# KiCad board MiniCamel_long.kicad_pcb (continued)
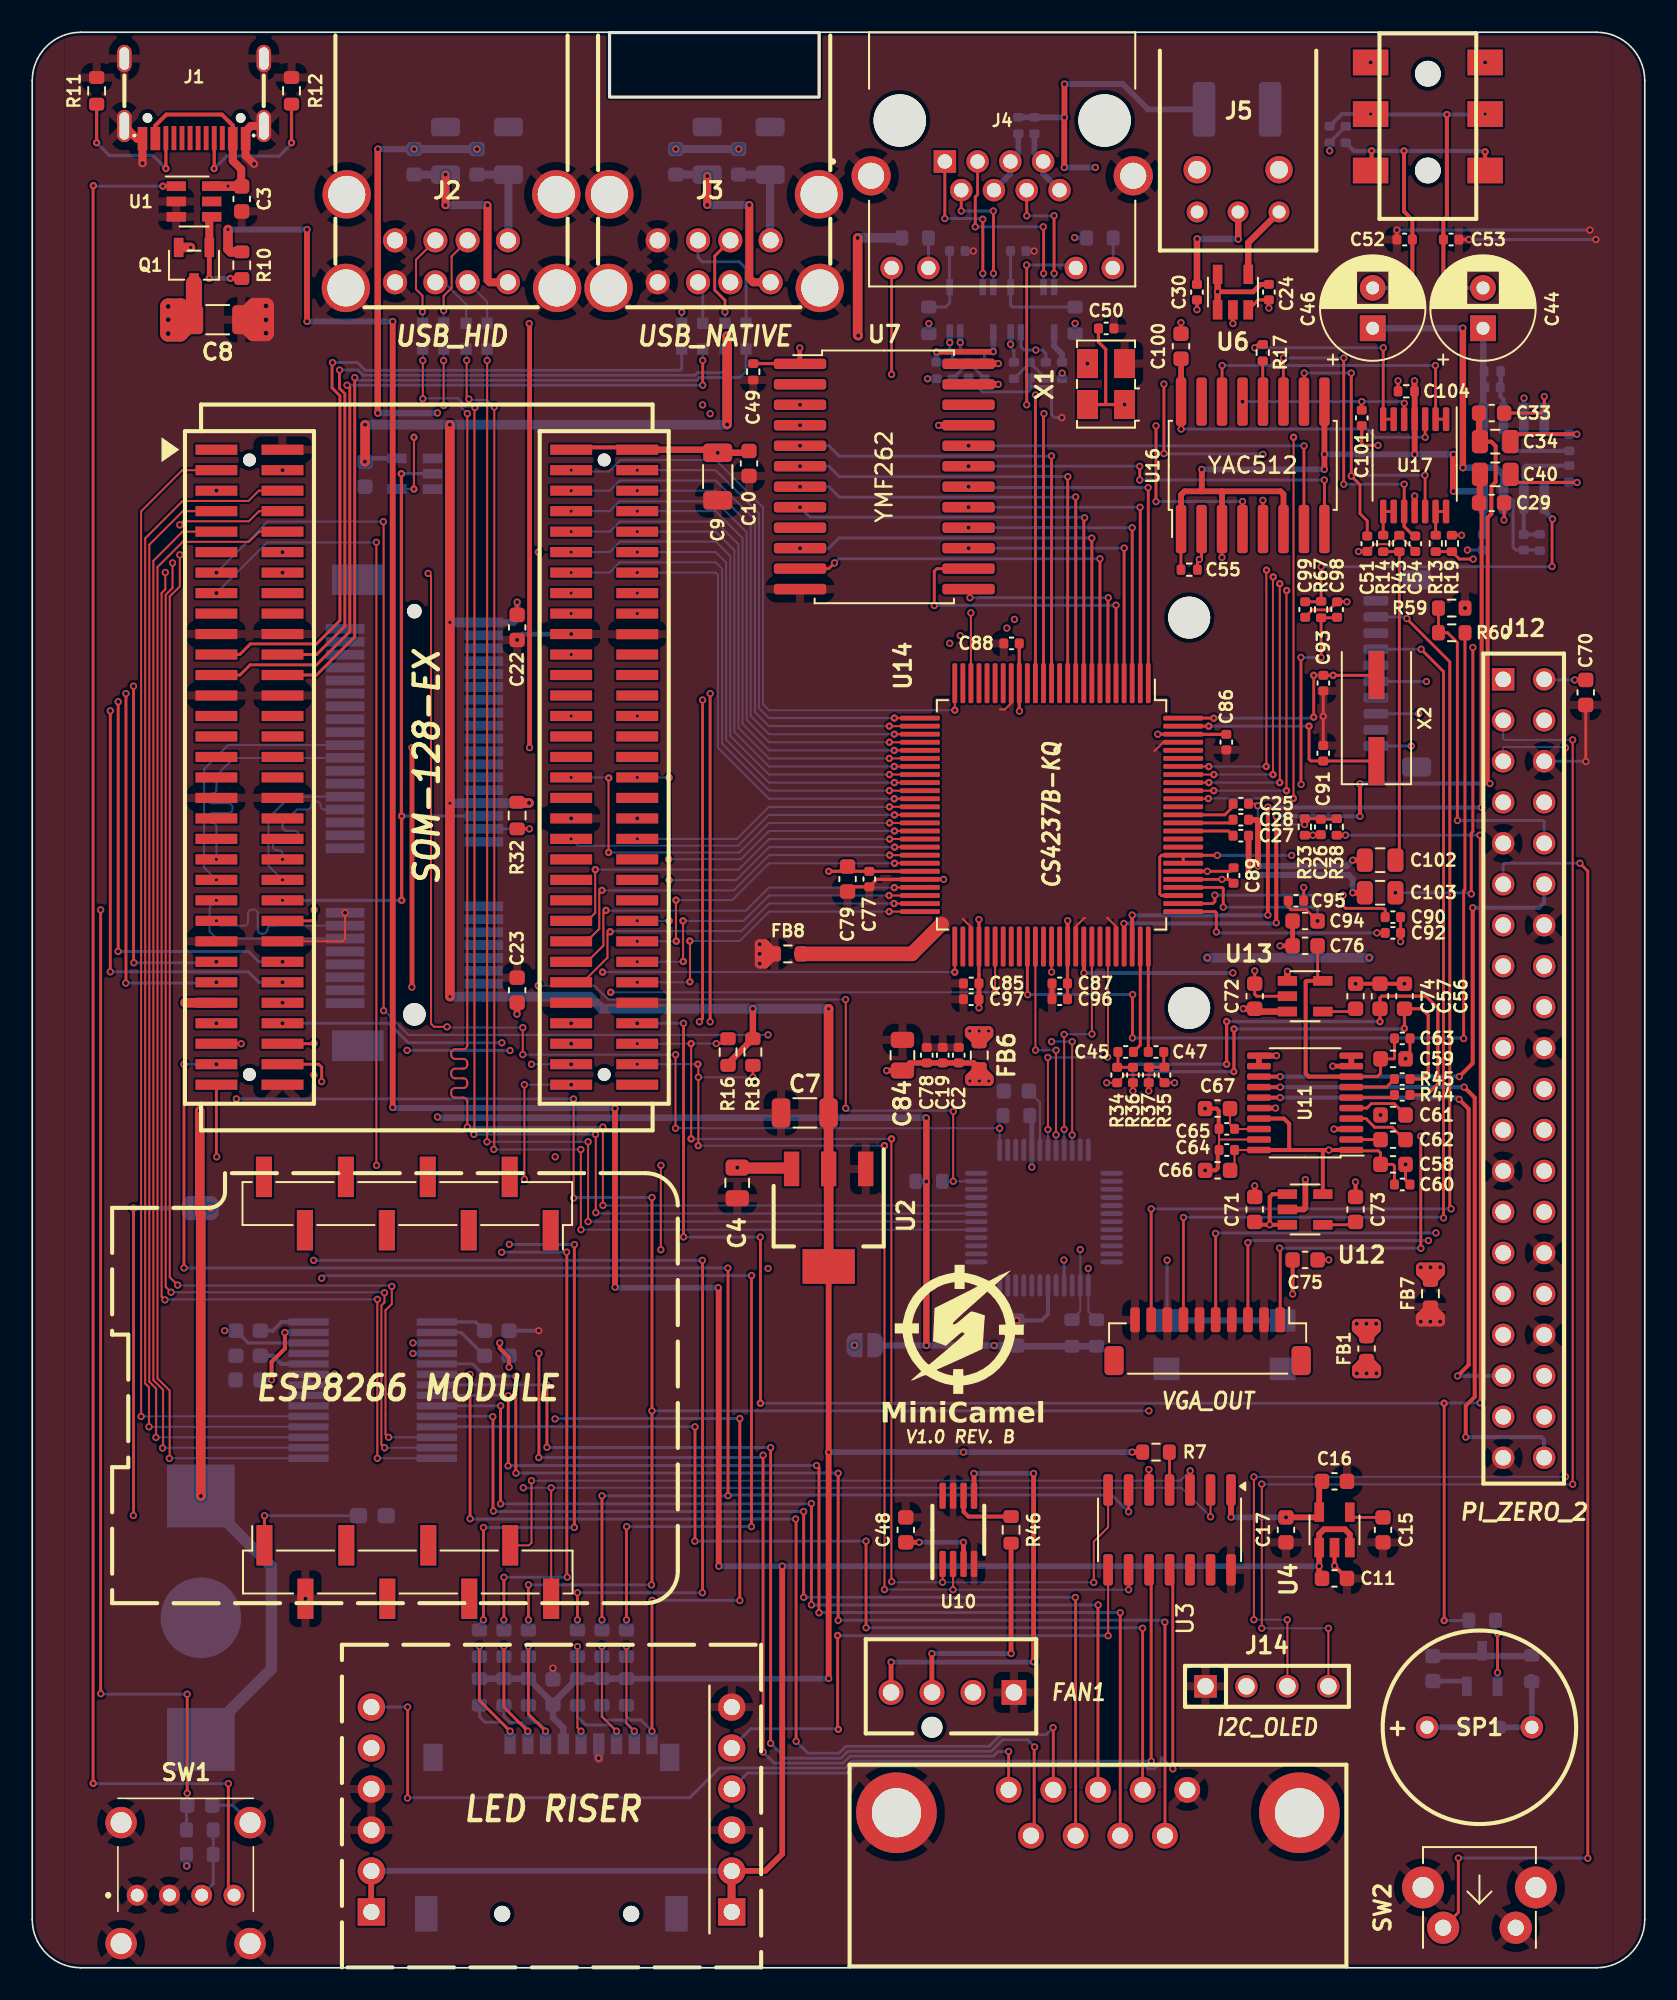
[diagram p0: board, top side]
## Routing (per net, layer and track width the routed paths; a pad name or vN(x,y) marks a point on that pad's centre or on a via; arc(x,y) is an arc through that point) (continued)
  Bottom w0.18: v1(49.98,30.66) 49.97,30.67 v1(30,30.67) ; v1(49.98,21.54) 49.99,21.55 70.12,21.55 v1(70.24,21.43) ; U5.5 27.32,37.44 28.09,36.67 v1(30,36.67)
/RS_RTS1: length 65.5
  Top w0.18: v1(28.56,34.17) 28.57,34.16 28.57,28.35 v1(28.6,28.32) ; v1(64.69,22.96) 64.7,22.94 J8.7 ; v1(47.84,28.29) v1(47.84,22.97)
  Bottom w0.18: v1(47.84,28.29) 28.63,28.29 v1(28.6,28.32) ; v1(47.84,22.97) 64.68,22.97 v1(64.69,22.96) ; U5.10 28.54,34.19 v1(28.56,34.17)
/RS_RX1: length 65.8
  Top w0.18: v1(27.15,27.84) v1(27.15,36.79) ; J8.2 63.32,14.88 v1(63.31,14.89) ; v1(47.37,14.04) 47.37,27.79 v1(47.34,27.82)
  Bottom w0.18: v1(63.31,14.89) 62.87,14.45 60.07,14.45 59.35,13.73 50.46,13.73 50.03,13.3 48.11,13.3 v1(47.37,14.04) ; v1(47.34,27.82) 27.17,27.82 v1(27.15,27.84) ; v1(27.15,36.79) U5.6
/RS_TX1: length 64.9
  Top w0.18: v1(66.1,22.49) 66.09,22.48 J8.3 ; v1(29.05,34.84) 29.04,34.83 v1(29.04,28.76) ; v1(48.32,22.5) v1(48.32,28.79)
  Bottom w0.18: v1(29.04,28.76) 48.29,28.76 v1(48.32,28.79) ; v1(66.1,22.49) 48.33,22.49 v1(48.32,22.5) ; v1(29.05,34.84) U5.9
/RST_SW: length 4.4
  Bottom w0.18: SW1.3 11.23,5.22 11.23,8.54 11.23,8.55
/RSTDRV: length 88
  Top w0.127: U14.90 72.93,72.48 v2(72.94,72.49) ; v2(23.67,94.89) v2(23.67,91.68) ; v2(78.21,72.5) 78.22,72.51 v2(78.22,94.89)
  In1.Cu w0.127: v2(78.22,94.89) v2(23.67,94.89)
  Bottom w0.127: U8.4 v2(23.67,91.68) ; v2(72.94,72.49) 72.95,72.5 v2(78.21,72.5)
/RTS1: length 78.6
  Top w0.127: v1(21.85,32.24) 21.65,32.43 21.65,41.07 21.84,41.26 v1(21.84,41.85) ; v1(8.7,87.1) 8.7,85.55 8.27,85.12 8.27,42.21 v1(8.61,41.88)
  In2.Cu w0.127: v1(11.42,91.58) 9.32,91.58 8.7,90.96 v1(8.7,87.1)
  Bottom w0.127: U5.13 v1(21.85,32.24) ; v1(8.61,41.88) 21.81,41.88 v1(21.84,41.85)
/RX1: length 70
  Top w0.127: v1(7.67,32.88) 7.68,32.89 7.68,35.91 7.26,36.33 7.26,88.23 9.34,90.31 P1.A7
  Bottom w0.127: v1(7.67,32.88) 7.68,32.89 U5.17
/RX2: length 79.9
  Top w0.127: v1(32.18,29.76) J11.16 ; v1(30.52,54.75) v1(30.52,48.89) 30.45,48.82 ; v1(73.07,27.96) U3.2
  In2.Cu w0.127: v1(30.45,29.76) 30.45,48.82 v1(30.52,48.89)
  Bottom w0.127: v1(30.52,54.75) v1(33.42,54.75) ; v1(73.07,27.96) 71.27,29.76 v1(32.18,29.76) 30.45,29.76 v1(30.45,29.76)
/SD_CD: length 81.5
  Top w0.127: 38.43,22.77 v1(38.44,22.78)
  Top w0.18: v1(43.88,22.77) v1(43.88,34.05) ; v1(32.43,50.28) 32.42,50.27 ; v1(38.43,14.67) 38.43,22.77 ; v1(11.44,50.28) 11.42,50.3 P1.A63
  In1.Cu w0.18: v1(32.43,50.28) 32.42,50.27 11.45,50.27 v1(11.44,50.28)
  In2.Cu w0.18: 32.42,50.27 v1(32.42,34.03)
  Bottom w0.127: 43.87,22.78 v1(43.88,22.77)
  Bottom w0.18: v1(38.44,22.78) 43.87,22.78 ; v1(43.88,34.05) 32.44,34.05 v1(32.42,34.03) ; J13.9 v1(38.43,14.67) 37.74,15.36 37.09,15.36 36.85,15.6 R53.2
/SD_CLK: length 70.2
  Top w0.127: v1(17.46,55.35) 17.45,55.34
  Top w0.18: P1.A60 17.46,57.29 v1(17.48,57.31) ; v1(41.56,43.86) 41.57,43.85 41.57,23.26 v1(41.56,23.25) ; v1(33.81,23.25) v1(33.81,21.57)
  In2.Cu w0.127: 17.46,57.29 v1(17.48,57.31)
  In2.Cu w0.18: v1(17.46,55.35) 17.46,57.29 ; 17.45,55.34 v1(17.45,43.86)
  Bottom w0.18: R50.2 v1(33.81,21.57) ; v1(33.81,23.25) v1(41.56,23.25) ; v1(41.56,43.86) v1(17.45,43.86)
/SD_CMD: length 107.2
  Top w0.127: 69.25,29.63 U3.5 ; v1(33.57,47.72) v1(33.57,53.87)
  Top w0.18: v1(69.25,30.89) 69.25,29.63 ; v1(38.4,23.74) 38.43,23.77 v1(38.43,34.53) v1(38.43,47.76) ; v1(30.77,21.57) v1(30.77,23.74) ; v1(12.96,57.29) P1.A59
  In2.Cu w0.18: v1(12.66,53.87) 12.66,56.99 v1(12.96,57.29) ; v1(69.25,34.53) v1(69.25,30.89)
  Bottom w0.127: 33.58,47.71 v1(33.57,47.72)
  Bottom w0.18: R49.2 v1(30.77,21.57) ; 33.58,47.71 33.62,47.76 v1(38.43,47.76) ; v1(69.25,34.53) v1(38.43,34.53) ; v1(12.66,53.87) v1(33.57,53.87) ; v1(38.4,23.74) v1(30.77,23.74)
/SD_DAT0: length 105.3
  Top w0.127: v1(43.14,43.38) 43.15,43.37
  Top w0.18: v1(67.99,28.27) U3.6 ; v1(35.33,21.57) v1(35.33,29.26) ; v1(9.41,43.39) v1(9.41,56.02) ; 43.15,43.37 v1(43.15,29.27)
  Bottom w0.18: v1(43.14,43.38) 43.13,43.39 v1(9.41,43.39) ; R51.2 v1(35.33,21.57) ; v1(67.99,28.27) 66.95,29.31 43.19,29.31 v1(43.15,29.27) 43.14,29.26 v1(35.33,29.26) ; v1(11.42,56.02) v1(9.41,56.02)
/SD_DAT1: length 72.2
  Top w0.127: v1(17.95,54.94) 17.95,54.92 ; v1(44.61,42.92) 44.6,42.91
  Top w0.18: 17.9,54.87 17.95,54.92 17.95,55.84 17.77,56.02 P1.A62 ; v1(36.86,27.35) 36.85,27.34 v1(36.85,21.57) ; 44.6,42.91 v1(44.6,27.35)
  In2.Cu w0.18: 17.95,42.74 v1(17.95,42.75) v1(17.95,54.94)
  Bottom w0.18: R52.2 v1(36.85,21.57) ; v1(17.95,42.75) 18.11,42.91 44.6,42.91 v1(44.61,42.92) ; v1(36.86,27.35) v1(44.6,27.35)
/SD_DAT2: length 64.6
  Top w0.18: v1(27.98,21.57) v1(27.98,27.3) ; v1(33.62,27.3) 33.62,27.3 33.62,44.84 v1(33.62,44.84) ; v1(29.63,56.87) 29.58,56.82
  In1.Cu w0.18: v1(11.42,58.56) 12.94,58.56 13.58,57.92 22.2,57.92 v1(23.24,56.88)
  In2.Cu w0.18: 29.58,56.82 v1(29.58,44.85)
  Bottom w0.18: R47.2 27.73,21.32 v1(27.98,21.57) ; v1(33.62,44.84) 29.59,44.84 v1(29.58,44.85) ; v1(23.24,56.88) 29.62,56.88 v1(29.63,56.87) ; v1(33.62,27.3) v1(27.98,27.3)
/SD_DAT3: length 58.5
  Top w0.18: v1(29.25,21.57) v1(29.25,24.21) ; v1(33.18,24.22) 33.15,24.25 33.15,44.36 v1(33.14,44.37)
  In2.Cu w0.18: v1(29.11,44.36) 29.11,57.34 v1(29.12,57.35)
  Bottom w0.127: 29.13,44.37 29.12,44.36 v1(29.11,44.36)
  Bottom w0.18: v1(29.25,24.21) 33.17,24.21 ; R48.2 v1(29.25,21.57) ; 29.13,44.37 v1(33.14,44.37) ; v1(29.12,57.35) 23.32,57.35 22.11,58.56 v1(15.52,58.56)
  Bottom w0.36: 33.17,24.21 v1(33.18,24.22)
/SPDIF_OUT: length 52
  Top w0.25: U14.67 65.22,63.31 v1(65.22,61.68) ; U6.2 v1(74.46,101.94)
  In2.Cu w0.25: v1(74.46,61.68) v1(74.46,101.94)
  Bottom w0.25: v1(74.46,61.68) v1(65.22,61.68)
/SPKR: length 135
  Top w0.18: v2(45.16,35) 45.16,45.29 v1(45.15,45.3) ; v1(89.78,70.22) 89.8,70.2 89.8,35.03 v1(89.79,35.02) ; v2(87.56,35) v2(87.56,21.53) ; v1(40.39,45.31) v1(40.39,58.56) ; R38.1 v1(81.44,70.22)
  Bottom w0.18: v1(81.44,70.22) v1(89.78,70.22) ; v2(45.16,35) v2(87.56,35) 87.58,35.02 v1(89.79,35.02) ; 89.15,21.54 89.14,21.53 v2(87.56,21.53) ; v1(45.15,45.3) 40.4,45.3 v1(40.39,45.31) ; v1(40.39,58.56) v1(37.52,58.56)
/SYNTH_SW: length 80.6
  Top w0.18: v1(88.44,6.8) 88.44,3.43 87.5,2.49 ; v1(96.47,6.79) 96.47,67.99 v1(95.98,68.48)
  Bottom w0.18: v1(95.98,68.48) 91.32,68.48 91.22,68.38 J12.11 ; v1(88.44,6.8) 96.46,6.8 v1(96.47,6.79)
/TACH1: length 14.2
  Top w0.3: R46.1 v1(60.7,19.48) ; v1(55.79,19.48) 55.79,17.08 P2.3
  Bottom w0.3: v1(55.79,19.48) 55.79,19.48 v1(60.7,19.48)
/TX1: length 85.1
  Top w0.127: v1(8.25,86.51) 8.25,85.46 8.02,85.23 8.02,41.62 v1(8.23,41.41) ; v1(21.4,31.59) v1(21.4,41.44)
  In2.Cu w0.127: v1(15.52,92.85) 15.44,92.77 9.32,92.77 8.25,91.7 v1(8.25,86.51)
  Bottom w0.127: 15.44,92.77 v1(15.52,92.85) ; v1(21.4,41.44) 8.26,41.44 v1(8.23,41.41) ; U5.14 v1(21.4,31.59)
/TX2: length 75.8
  Top w0.127: U3.3 71.8,30.8 v1(71.81,30.81) ; J11.15 30.8,26.19 30.96,26.35 v1(30.96,30.2) ; 30.96,56.02 v1(30.96,56.02)
  In2.Cu w0.127: v1(30.96,30.2) 30.96,30.2 30.96,56.02 v1(30.96,56.02)
  Bottom w0.127: v1(30.96,56.02) v1(33.42,56.02) ; v1(30.96,30.2) 71.2,30.2 v1(71.81,30.81)
/USBD1+: length 49
  Top w0.18: v1(41.58,99.66) v1(41.58,98.12) ; v1(19.52,98.12) 19.69,97.95 19.69,82.84 17.63,80.78 13.51,80.78 12.88,80.15 P1.A23
  Bottom w0.18: v1(19.52,98.12) v1(41.58,98.12) ; L1.3 v1(41.58,99.66)
/USBD1-: length 47.9
  Top w0.18: v1(18.62,99.52) 18.59,99.49 18.59,97.95 19.08,97.46 19.08,83.53 17.63,82.08 13.53,82.08 12.87,81.42 P1.A21
  Bottom w0.18: L1.2 40.28,99.16 40.16,99.04 20.65,99.04 20.16,99.53 18.63,99.53 v1(18.62,99.52)
/USBD2+: length 47.5
  Top w0.18: v1(20,98.59) 20,82.52 17.63,80.15 P1.A24
  Bottom w0.18: L2.3 44.27,99.01 43.85,98.59 41.39,98.59 41.22,98.43 20.16,98.43 v1(20,98.59)
/USBD2-: length 46.1
  Top w0.18: v1(19.06,99.06) 19.05,99.05 19.05,97.92 19.39,97.59 19.39,83.17 17.63,81.42 P1.A22
  Bottom w0.18: L2.2 42.97,99.1 42.77,98.89 41.26,98.89 41.1,98.73 20.52,98.73 20.19,99.06 v1(19.06,99.06)
/USBDX1+: length 2.7
  Bottom w0.18: L1.4 41.58,104.21 J3.3
/USBDX1-: length 4.5
  In1.Cu w0.18: v1(40.28,102.65) 41.09,103.46 42.25,103.46 J3.2
  Bottom w0.18: L1.1 v1(40.28,102.65)
/USBDX2+: length 7.7
  Bottom w0.18: J3.7 41.29,106.03 41.55,105.77 43.85,105.77 44.27,105.35 L2.4
/USBDX2-: length 5.8
  Top w0.18: J3.6 42.32,106.13 42.32,104.02 42.96,103.38 v1(42.96,102.66)
  Bottom w0.18: L2.1 42.97,102.65 v1(42.96,102.66)
/USBHID1+: length 85.9
  Top w0.127: v1(28.65,96.77) 28.65,50.77 v1(28.62,50.74) ; v1(34.03,45.76) 34.02,45.77 v1(34.02,50.73) ; v1(26.94,99.66) 26.94,97.4 v1(27.08,97.26)
  Bottom w0.127: v1(28.62,50.74) 28.63,50.73 v1(34.02,50.73) ; v1(28.65,96.77) 28.22,97.2 27.14,97.2 v1(27.08,97.26) ; U9.29 v1(34.03,45.76) ; L3.4 26.94,100.33 v1(26.94,99.66)
/USBHID1-: length 84.5
  Top w0.127: v1(28.21,99.65) 28.21,51.22 v1(28.2,51.21) ; v1(34.47,46.26) v1(34.47,51.21)
  Bottom w0.127: U9.30 v1(34.47,46.26) 34.39,46.26 34.39,46.26 ; v1(28.21,99.65) L3.1 ; v1(34.47,51.21) v1(28.2,51.21)
/USBHID2+: length 87.7
  Top w0.127: v1(34.93,51.67) 34.95,51.65 v1(34.95,46.82) ; v1(27.38,51.67) 27.42,51.71 27.42,96.71 v1(27.45,96.74) ; v1(24.22,97.28) v1(24.22,99.65)
  Bottom w0.127: v1(34.93,51.67) 27.39,51.67 v1(27.38,51.67) ; v1(24.22,99.65) 24.22,100.35 L4.4 ; v1(27.45,96.74) 27.39,96.8 26.9,96.8 26.39,97.31 24.25,97.31 v1(24.22,97.28) ; v1(34.95,46.82) 35,46.76 U9.31
/USBHID2-: length 90.6
  Top w0.127: v1(35.39,47.27) v1(35.39,52.12) ; v1(25.51,99.65) 25.51,96.87 v1(25.52,96.86) ; v1(26.98,52.12) 26.98,53.71 arc(26.91,53.88) 26.74,53.95 26.22,53.95 arc(26.05,54.02) 25.98,54.19 25.98,54.31 arc(26.05,54.48) 26.22,54.55 26.74,54.55 arc(26.91,54.62) 26.98,54.79 26.98,54.91 arc(26.91,55.08) 26.74,55.15 26.22,55.15 arc(26.05,55.22) 25.98,55.39 25.98,55.51 arc(26.05,55.68) 26.22,55.75 26.74,55.75 arc(26.91,55.82) 26.98,55.99 26.98,56.11 arc(26.91,56.28) 26.74,56.35 26.22,56.35 arc(26.05,56.42) 25.98,56.59 25.98,56.71 arc(26.05,56.88) 26.22,56.95 26.74,56.95 arc(26.91,57.02) 26.98,57.19 v1(26.98,96.36)
  Bottom w0.127: 35.45,47.27 v1(35.39,47.27) 35.4,47.26 U9.32 ; v1(25.52,96.86) 26.48,96.86 v1(26.98,96.36) ; v1(35.39,52.12) v1(26.98,52.12) ; v1(25.51,99.65) L4.1
/USBHIDX1+: length 3.6
  Bottom w0.127: J2.3 25.54,104.5 26.91,103.13 L3.3
/USBHIDX1-: length 3
  Bottom w0.127: L3.2 28.21,103.29 J2.2
/USBHIDX2+: length 5.8
  Top w0.127: J2.7 23.8,105.9 23.8,104.06 24.2,103.66 v1(24.2,102.67)
  Bottom w0.127: v1(24.2,102.67) 24.21,102.66 L4.3
/USBHIDX2-: length 5.8
  Top w0.127: v1(25.51,102.75) 25.51,103.65 26.01,104.15 26.01,106.11 J2.6
  Bottom w0.127: L4.2 v1(25.51,102.75)
/VSYNC: length 65.2
  Top w0.18: v1(85.25,83.65) 85.25,83.63 87.91,80.97 87.91,47.13 ; v1(69.39,47.05) J15.9
  In2.Cu w0.18: v1(87.99,47.05) 87.91,47.13
  Bottom w0.18: v1(69.39,47.05) v1(87.99,47.05) ; J10.9 85.15,83.75 v1(85.25,83.65)
/X_SD_CLK: length 6.8
  Top w0.127: v1(33.81,19.92) 33.81,14.89 v1(34.03,14.67)
  Bottom w0.127: 34.03,14.67 v1(34.03,14.67) ; R50.1 v1(33.81,19.92)
  Bottom w0.3: J13.5 34.03,14.67
/X_SD_CMD: length 9.3
  Top w0.18: v1(30.77,19.92) 30.77,15.73 v1(31.83,14.67)
  Bottom w0.127: R49.1 v1(30.77,19.92)
  Bottom w0.18: v1(31.83,14.67) 31.83,14.78 31.4,15.21 31.12,15.21 30.77,15.56 R56.2
  Bottom w0.3: J13.3 v1(31.83,14.67)
/X_SD_DAT0: length 10.5
  Top w0.127: v1(35.33,19.92) 35.33,15.57 v1(36.23,14.67)
  Bottom w0.127: R51.1 v1(35.33,19.92)
  Bottom w0.18: v1(36.23,14.67) 35.85,15.05 34.33,15.05 33.81,15.57 R55.2
  Bottom w0.3: J13.7 v1(36.23,14.67)
/X_SD_DAT1: length 9.9
  Top w0.127: v1(36.85,19.92) 36.85,15.15 v1(37.33,14.67)
  Bottom w0.127: R52.1 v1(36.85,19.92)
  Bottom w0.18: v1(37.33,14.67) 36.64,15.36 35.54,15.36 35.33,15.57 R54.2
  Bottom w0.3: J13.8 v1(37.33,14.67)
/X_SD_DAT2: length 10.4
  Top w0.18: v1(27.73,19.92) 27.73,16.57 v1(29.63,14.67)
  Bottom w0.127: R47.1 v1(27.73,19.92)
  Bottom w0.18: R58.2 27.73,15.57 28.08,15.22 29.08,15.22 v1(29.63,14.67)
  Bottom w0.3: J13.1 v1(29.63,14.67)
/X_SD_DAT3: length 9.9
  Top w0.18: v1(30.73,14.67) 29.25,16.15 v1(29.25,19.92)
  Bottom w0.127: R48.1 v1(29.25,19.92)
  Bottom w0.18: R57.2 29.25,15.58 29.62,15.21 30.35,15.21 30.73,14.83 v1(30.73,14.67)
  Bottom w0.3: J13.2 v1(30.73,14.67)
/YAC_CH1: length 22.1
  Top w0.18: C51.1 82.79,89.71 82.34,90.16 82.34,91.95 v1(81.8,92.49) v1(81.8,98.87) ; v1(86.37,92.54) 86.38,92.53 U17.12 ; U16.10 78.88,97.11 v1(78.88,98.87)
  Bottom w0.18: v1(81.8,92.49) 81.85,92.54 v1(86.37,92.54) ; v1(81.8,98.87) v1(78.88,98.87)
/YAC_CH2: length 21.6
  Top w0.18: U17.10 v1(85.08,91.98) ; v1(77.59,99.81) 77.59,97.1 U16.11 ; v1(81.34,99.81) 81.33,99.8 v1(81.33,91.98)
  Top w0.2: U17.10 85.08,89.35 85.67,88.77 C54.1
  Bottom w0.18: v1(81.34,99.81) v1(77.59,99.81) ; v1(85.08,91.98) v1(81.33,91.98)
/YAC_CLK: length 27.2
  Top w0.18: U16.5 76.33,90.97 v1(76.32,90.98) ; v1(70.18,98.19) v1(70.18,93.88)
  Top w0.4: v1(59.91,98.17) 58.06,98.17
  In1.Cu w0.18: v1(70.18,98.19) 70.17,98.18 59.92,98.18 v1(59.91,98.17)
  In2.Cu w0.18: v1(76.32,93.83) v1(76.32,90.98)
  Bottom w0.18: v1(76.32,93.83) 76.29,93.86 70.2,93.86 v1(70.18,93.88)
/YFM_CLK: length 7.4
  Top w0.4: 58.08,99.46 v1(59.91,99.46)
  In1.Cu w0.18: v1(65.44,99.46) v1(59.91,99.46)
/~{BRESET}: length 32.8
  Top w0.18: U14.15 62.21,97.5 v1(62.22,97.51)
  In1.Cu w0.18: v1(47.61,96.9) 49.5,96.9 50.14,97.54 62.19,97.54
  Bottom w0.18: 62.19,97.54 v1(62.22,97.51)
/~{DACK1}: length 45.7
  Top w0.127: v2(59.71,60.49) 59.71,60.49 U14.56
  In2.Cu w0.127: v2(37.52,77.61) 35.07,75.16 35.07,68.83 34.37,68.13 34.37,63.32 35.87,61.82 v2(35.87,60.48)
  Bottom w0.127: v2(59.71,60.49) 59.7,60.48 v2(35.87,60.48)
/~{DUPLEX}: length 66.3
  Top w0.18: J4.9 53.29,98.79 v1(53.29,98.79) ; v1(41.57,78.6) 41.57,58.85 v1(41.37,58.65)
  In1.Cu w0.18: v1(41.37,58.65) 41.37,59.21 41.28,59.3 35.63,59.3 34.89,58.56 v1(33.42,58.56) ; v1(41.57,96.9) 46.38,96.9 48.27,98.79 v1(53.29,98.79)
  In2.Cu w0.18: v1(41.57,78.6) 41.57,78.6 41.57,96.9 v1(41.57,96.9)
/~{FM_CS}: length 28.2
  Top w0.18: v1(65.26,89.9) 65.21,89.85 U14.9
  Bottom w0.18: v1(65.26,89.9) 65.23,89.93 48.24,89.93 v1(47.61,90.55)
/~{FM_RD}: length 28.9
  Top w0.18: v1(64.71,91.19) 64.71,91.19 U14.10
  Bottom w0.18: v1(64.71,91.19) 64.7,91.18 50.05,91.18 49.41,91.82 v1(47.61,91.82)
/~{FM_WR}: length 29.7
  Top w0.18: U14.11 64.21,92.44 v1(64.22,92.45)
  Bottom w0.18: v1(47.61,93.09) 49.41,93.09 50.05,92.45 v1(64.22,92.45)
/~{IOR}: length 18.4
  Top w0.127: U14.37 53.16,71.98 v2(53.16,71.98)
  Bottom w0.127: v2(53.16,71.98) 45.69,71.98 43.7,69.99 v2(37.52,69.99)
/~{IOW}: length 22.6
  Top w0.127: U14.38 v2(53.47,71.48)
  Bottom w0.127: v2(53.47,71.48) 45.69,71.48 43.78,69.57 33.84,69.57 v2(33.42,69.99)
/~{LINKACT}: length 79
  Top w0.18: v1(61.66,105.57) 61.67,105.56 v1(61.67,96.91) ; v1(42.04,58.65) v1(42.04,79)
  In1.Cu w0.18: v1(33.42,57.29) 34.89,57.29 35.46,57.86 41.94,57.86 42.04,57.96 v1(42.04,58.65) ; v1(61.67,96.91) 61.66,96.9 50.33,96.9 49.72,96.29 42.1,96.29 v1(42.04,96.35)
  In2.Cu w0.18: v1(42.04,79) v1(42.04,96.35)
  Bottom w0.18: v1(61.66,105.57) 64.54,105.57 J4.11
/~{PCIRST}: length 40.9
  Top w0.2: v2(22.89,92.63) 22.89,92.62 22.89,71.41 v2(22.91,71.4) v2(22.91,66.18)
  Bottom w0.2: U8.2 v2(22.89,92.63) ; v2(22.91,71.4) 22.92,71.41 J7.22 ; v2(22.91,66.18) v2(15.52,66.18)
/~{RST_SW}: length 78.2
  Top w0.18: v1(17.48,65.59) 17.48,65.05 17.34,64.91 P1.A48 ; v1(4.24,65.59) 4.24,17 v1(4.25,16.99) ; v1(9.61,10.82) v1(9.61,16.96)
  In1.Cu w0.18: v1(4.24,65.59) v1(17.48,65.59)
  Bottom w0.18: C5.1 9.64,10.08 ; C5.1 9.62,10.81 v1(9.61,10.82) ; C5.1 9.56,10.03 R9.1 ; v1(4.25,16.99) 4.28,16.96 v1(9.61,16.96)
Net-(C1-Pad2): length 42.3
  Top w0.36: v1(64.01,116.79) v1(64.01,114.72) 64,114.71 v1(64,111.62)
  In1.Cu w0.36: v1(55.52,98.52) 55.87,98.87 v1(63.87,98.87)
  In2.Cu w0.36: v1(65.93,111.62) 65.93,100.93 v1(63.87,98.87)
  Bottom w0.36: R2.1 v1(55.52,98.52) ; v1(65.93,111.62) v1(64,111.62) ; v1(64.01,116.79) 67.63,116.79 69.2,115.22 C1.2 ; R4.1 R5.1 62.16,114.72 v1(64.01,114.72) ; v1(63.87,98.87) 63.86,98.86 R3.1
Net-(C25-Pad2): length 7
  Top w0.127: R33.1 78.91,71.23 v1(78.91,70.88) ; v1(76,72.04) 75.87,72.17 C25.2
  Top w0.18: R33.1 79.88,71.24 C26.1 80.87,71.21 R38.2
  Bottom w0.127: v1(78.91,70.88) 76.14,70.88 76,71.02 v1(76,72.04)
Net-(C34-Pad2): length 5
  Top w0.25: v1(95.79,95.08) 91.68,95.08 C34.2
  Bottom w0.25: v1(95.79,95.08) 95.33,95.08 R61.2
Net-(C40-Pad2): length 5.1
  Top w0.2: C40.2 91.68,92.09 v1(95.8,92.09)
  Bottom w0.25: v1(95.8,92.09) 95.34,92.09
  Bottom w0.4: 95.34,92.09 R62.2
Net-(C42-Pad2): length 5.6
  Bottom w0.4: C44.1 89.98,101.64 89.98,96.12 90.05,96.05
Net-(C43-Pad2): length 23.7
  Top w0.4: v1(88.72,93) v1(88.72,101.66)
  Bottom w0.2: 93.45,87.9 C43.2 92.02,87.9 91.84,88.08 91.84,90.96 91.68,91.11 U15.7
  Bottom w0.4: 93.45,87.9 R64.1 ; C46.1 88.71,101.65 v1(88.72,101.66) ; v1(88.72,93) 90.77,93 91.23,92.53 U15.7
Net-(C44-Pad2): length 23.3
  Top w0.25: 87.52,104.15 v2(87.51,104.16) C53.1 87.51,108.35 87.73,108.57 87.73,114.9 v2(87.73,114.9)
  Bottom w0.25: v2(90.1,114.93) 90.07,114.9 v2(87.73,114.9) 83.03,114.9 v2(83,114.93) 81.22,114.93 R65.1 ; C44.2 87.52,104.15
Net-(C45-Pad2): length 2.1
  Top w0.127: 67.14,55.81 67.16,55.83 R34.2 67.33,55.88 ; 67.28,56.73 C45.2
  Top w0.18: 67.33,55.88 67.33,56.68 67.28,56.73 ; R34.2 R36.2
Net-(C46-Pad2): length 22.4
  Top w0.25: v2(85.57,104.15) 85.59,104.17 C52.1 85.59,108.37 85.07,108.89 v2(85.07,112.65) ; J6.T 83.06,111.49 v2(83.06,112.65) ; v2(90.1,112.59) J6.T
  Bottom w0.25: v2(90.1,112.59) 90.04,112.65 v2(85.07,112.65) v2(83.06,112.65) 81.96,112.65 R66.1 ; C46.2 v2(85.57,104.15)
Net-(C47-Pad2): length 2
  Top w0.127: 70.17,55.88 R35.2
  Top w0.18: R37.2 R35.2 ; C47.2 70.17,55.88
Net-(C80-Pad1): length 2.8
  Bottom w0.18: R71.2 59.06,98.54 C80.1 58.07,99.51 R69.2
Net-(C81-Pad1): length 2.8
  Bottom w0.18: 61.87,99.51 R72.2 ; 61.87,99.51 C81.1 ; 61.87,99.51 R70.2
Net-(C102-Pad1): length 20.2
  Top w0.18: C102.1 84.78,68.91 R43.2 R14.1
Net-(C103-Pad1): length 28.2
  Top w0.18: v1(89.34,81.86) 89.34,70.44 89.24,70.34 v1(89.24,66.58) ; R13.1 R19.2 88.5,87.34 v1(89.36,87.34)
  In2.Cu w0.18: v1(89.34,81.86) 89.34,87.32 v1(89.36,87.34)
  Bottom w0.18: v1(84.54,66.65) 89.17,66.65 v1(89.24,66.58) ; 89.32,81.76 89.34,81.78 v1(89.34,81.86)
Net-(D4-A): length 5.2
  Bottom w0.36: 92.91,18.02 92.92,18.03 93,18.03 SP1.2 D4.2
Net-(J1-CC1): length 9.7
  Top w0.2: 11.28,111.54 11.29,111.54 J1.A5 ; v2(16.08,113.15) 16.08,115.54
  Bottom w0.2: 16.08,113.08 15.32,112.32 12.06,112.32 11.28,111.54
  vias: v2(11.28,111.55)
Net-(J1-CC2): length 9.2
  Top w0.2: J1.B5 8.29,111.55 v2(8.29,111.55) ; v2(3.99,113.15) 3.99,115.54
  Bottom w0.2: v2(3.99,113.15) 4.78,112.36 7.48,112.36 v2(8.29,111.55)
Net-(J2-VBUS1): length 12.4
  Top w0.5: J2.1 28.37,104.5 28.23,104.63 v1(28.23,109.28) ; v1(25.63,111.17) 25.63,109.28 v1(25.62,109.28)
  Bottom w0.127: 23.69,111.17 F2.2
  Bottom w0.5: v1(25.62,109.28) v1(28.23,109.28) ; v1(25.63,111.17) 23.69,111.17
Net-(J2-VBUS2): length 6
  Bottom w0.127: 29.53,107.13 J2.5
  Bottom w0.5: 29.53,107.13 C36.1 27.59,111.17 F4.2
Net-(J3-VBUS1): length 12.4
  Top w0.5: J3.1 44.7,104.5 44.47,104.73 v1(44.47,109.29) ; v1(41.86,111.09) v1(41.86,109.29)
  Bottom w0.127: v1(41.86,111.09) C31.1 41.85,111.18
  Bottom w0.5: v1(41.86,109.29) v1(44.47,109.29) ; F1.2 41.85,111.18
Net-(J3-VBUS2): length 6
  Bottom w0.127: 43.82,111.17 F3.2 ; 45.76,107.13 J3.5
  Bottom w0.5: 45.76,111.14 45.76,107.13 ; C35.1 43.82,111.17
Net-(J4-Pad4): length 4.1
  Bottom w0.36: J4.4 60.66,111.23 J4.5 61.15,112.48 R4.2
Net-(J4-Pad7): length 4.1
  Bottom w0.36: J4.8 62.69,111.23 J4.7 62.15,112.53 R5.2
Net-(J4-Pad10): length 1.9
  Bottom w0.18: R1.1 55.58,105.39 J4.10
Net-(J4-Pad12): length 1.9
  Bottom w0.18: R6.2 67.03,105.41 J4.12
Net-(J5-VIN): length 4.7
  Top w0.4: U6.4 75.41,106.95 J5.1
Net-(J7-~{W_DISABLE}): length 3.6
  Top w0.18: v1(30.83,70.61) 30.11,70.61 30.07,70.57
  Bottom w0.18: J7.20 v1(30.83,70.61)
Net-(J11-5V): length 38.4
  Top w0.18: v1(6.27,28.04) 6.28,28.05 v1(6.28,47.1) ; v1(14.4,28.03) J11.9
  In1.Cu w0.18: v1(14.4,28.03) 6.28,28.03 v1(6.27,28.04)
  Bottom w0.18: v1(14.4,28.03) C68.1
  Bottom w0.3: v1(6.28,47.1) JP6.2
Net-(Q1-G): length 5.9
  Top w0.127: 10.98,108.41 U1.4
  Top w0.3: R10.1 12.3,104.73 v2(12.29,104.74) ; v2(10.98,104.74) Q1.1
  Top w0.5: Q1.1 10.98,108.41
  Bottom w0.3: v2(12.29,104.74) v2(10.98,104.74)
Net-(Q4-B): length 4.1
  Top w0.18: v1(90.87,20.73) v1(90.87,18.3)
  Bottom w0.18: R20.2 90.74,20.85 v1(90.87,20.73) ; Q4.1 v1(90.87,18.3)
Net-(Q4-C): length 6.2
  Bottom w0.4: R30.1 92.94,19.32 C20.1
Net-(SW5-A): length 18.9
  In1.Cu w0.2: v1(70.38,43.87) 70.37,43.88 v1(63.98,43.88)
  Bottom w0.2: v1(70.38,43.87) 70.38,40.17 SW5.1 ; U9.16 63.99,43.87 v1(63.98,43.88)
  Bottom w0.36: SW5.1 SW5.1
Net-(T2-C_TD): length 4.6
  Bottom w0.18: FB4.2 56.64,102.96 56.9,103.22 T2.6 56.89,104.21 C82.1
Net-(T2-C_TX): length 5.4
  Top w0.36: v1(59.6,100.2) 59.59,100.19 v1(56.08,100.19)
  Bottom w0.36: R2.2 v1(56.08,100.19) ; v1(59.6,100.2) T2.3
Net-(T3-C_TD): length 7.4
  Bottom w0.18: C83.1 T3.6 60.67,103.07 60.78,102.96 FB5.2
Net-(T3-C_TX): length 2.1
  Bottom w0.36: T3.3 63.37,100.54 63.86,100.05 R3.2
Net-(U4-BYP): length 2.4
  Top w0.127: 81.71,27.92 U4.4
  Top w0.18: C15.1 81.71,27.92
Net-(U5-C1+): length 3.2
  Bottom w0.25: C12.1 14.91,39.49 15.46,40.04 U5.28
Net-(U5-C1-): length 3.2
  Bottom w0.25: 14.15,37.94 14.94,37.94 15.44,37.44 U5.24
Net-(U5-C2+): length 3.2
  Bottom w0.2: U5.1 27.5,40.04 C18.1
Net-(U5-C2-): length 3.6
  Bottom w0.2: U5.2 26.61,39.39 28.05,37.94
Net-(U5-V+): length 5.4
  Top w0.25: v1(15.67,39.39) 15.67,38.39 14.84,37.56 v1(14.84,36.45)
  Bottom w0.25: C13.1 v1(14.84,36.45) ; U5.27 v1(15.67,39.39)
Net-(U5-V-): length 9.3
  Top w0.25: v1(29.57,37.24) 29.57,37.83 28.99,38.41 v1(28.99,38.74)
  In1.Cu w0.25: v1(28.99,38.74) v1(23.61,38.74)
  Bottom w0.127: v1(29.57,37.24) 29.57,37.94 ; U5.3 v1(23.61,38.74)
Net-(U9-VDD33): length 3.9
  Bottom w0.127: U9.42 62.49,53.66 C39.2
Net-(U10-TACH): length 4.1
  Top w0.25: R46.2 58.06,27.97 57.76,28.27 U10.6
Net-(U11-CAPM): length 3.9
  Top w0.18: U11.4 82.71,52.65 83.25,52.11 84.34,52.11 85.11,51.34
Net-(U11-CAPP): length 1.8
  Top w0.127: 83.55,51.35 83.56,51.34
  Top w0.18: U11.2 83.55,51.35
Net-(U11-LDOO): length 2.9
  Top w0.127: U11.18 74.58,52 74.56,51.98 ; C65.2 74.28,52.29 C67.2
Net-(U11-OUTL): length 2.8
  Top w0.18: U11.6 84.31,53.95 R44.1
Net-(U11-OUTR): length 2.9
  Top w0.18: R45.1 83.98,54.6 U11.7
Net-(U11-VNEG): length 3.8
  Top w0.18: C61.2 84.45,53.58 83.05,53.58 82.77,53.3 U11.5
Net-(U12-BYP): length 2.1
  Top w0.18: C73.1 81.89,46.06 80.04,46.06
Net-(U13-BYP): length 2.1
  Top w0.18: 80.04,59.28 81.89,59.28 C74.1
Net-(U14-LAUX1): length 6.5
  Top w0.18: C47.1 69.21,60.92 69.21,60.93 U14.75
Net-(U14-LFILT): length 14.2
  Top w0.18: U14.77 73.21,65.98 73.34,66.11 v1(73.34,66.5) ; v1(81.29,66.5) 81.29,65.84 81.45,65.68 83.82,65.68 83.9,65.6 C90.2
  Bottom w0.18: v1(73.34,66.5) v1(81.29,66.5)
Net-(U14-LLINE): length 3.2
  Top w0.18: U14.87 74.27,70.98 C28.1
Net-(U14-LMIC): length 29.7
  Top w0.18: v1(78.68,81.24) 78.68,73.38 v1(78.69,73.37) ; v1(73.49,68.97) 71.39,68.97 U14.83 ; U14.78 70.02,66.48 69.92,66.58 69.92,68.86 70.04,68.98 U14.83 ; U14.83 U14.82 ; C98.2 80.89,83.7 R67.2 v1(79.93,81.24)
  In2.Cu w0.18: v1(78.69,73.37) 78.69,71.94 78.1,71.35 v1(78.1,68.97)
  Bottom w0.18: v1(79.93,81.24) v1(78.68,81.24) ; v1(78.1,68.97) v1(73.49,68.97)
Net-(U14-MIN): length 3.5
  Top w0.18: C25.1 74.47,72 73.95,71.48 U14.88
Net-(U14-RAUX1): length 6.7
  Top w0.18: U14.74 68.71,57.2 C45.1
Net-(U14-REFFLT): length 12.9
  Top w0.18: C95.1 77.89,65.78 78.07,65.6 79.01,65.6 v1(79.71,64.9) ; v1(73.86,65.76) 73.86,66.9 73.78,66.98 U14.79
  Bottom w0.18: v1(73.86,65.76) 79.62,65.76 79.71,65.67 v1(79.71,64.9)
Net-(U14-RFILT): length 13.8
  Top w0.18: C92.2 v1(83.39,64.16) ; v1(73.43,64.22) 73.43,65.4 73.35,65.48 U14.76
  Bottom w0.18: v1(83.39,64.16) 73.49,64.16 v1(73.43,64.22)
Net-(U14-RLINE): length 3.2
  Top w0.18: U14.86 74.18,70.48 C27.1
Net-(U14-XTALI): length 15.2
  Top w0.18: X2.2 83.34,80.13 v2(80.67,80.13) C93.2 ; U14.100 73.27,77.48 v2(73.27,77.48) ; v2(79.47,77.54) v2(79.47,80.13)
  Bottom w0.18: v2(79.47,80.13) v2(80.67,80.13) ; v2(79.47,77.54) 79.41,77.48 v2(73.27,77.48)
Net-(U14-XTALO): length 14.1
  Top w0.18: X2.1 83.35,74.82 C91.2 79.3,74.82 79.18,74.94 v2(79.18,76.98) ; U14.99 v2(72.96,76.98)
  Bottom w0.18: v2(72.96,76.98) v2(79.18,76.98)
Net-(U15A--): length 9
  Bottom w0.18: 91.06,98 C42.1
  Bottom w0.25: C42.1 91.04,97.44 91.23,97.24 U15.2
  Bottom w0.254: R61.1 91.37,94.05 91.23,94.18 U15.2
  Bottom w0.3: R63.2 91.06,98
Net-(U15B--): length 8
  Bottom w0.25: R62.1 92.63,93.13 92.51,93 92.51,91.11 ; R64.2 93.47,88.86 C43.1 92.49,91.1
  Bottom w0.4: 92.49,91.1 92.51,91.11
Net-(U16-AOUT): length 11.6
  Top w0.18: v1(85.09,97) 85.09,96.02 ; C101.1 v1(82.45,97.1)
  Top w0.36: 85.09,96.02 U17.5
  Bottom w0.18: v1(75.06,97.1) v1(82.45,97.1) 84.99,97.1 v1(85.09,97)
